# KiCad board protoboard-6x4-breakout.kicad_pcb (continued)
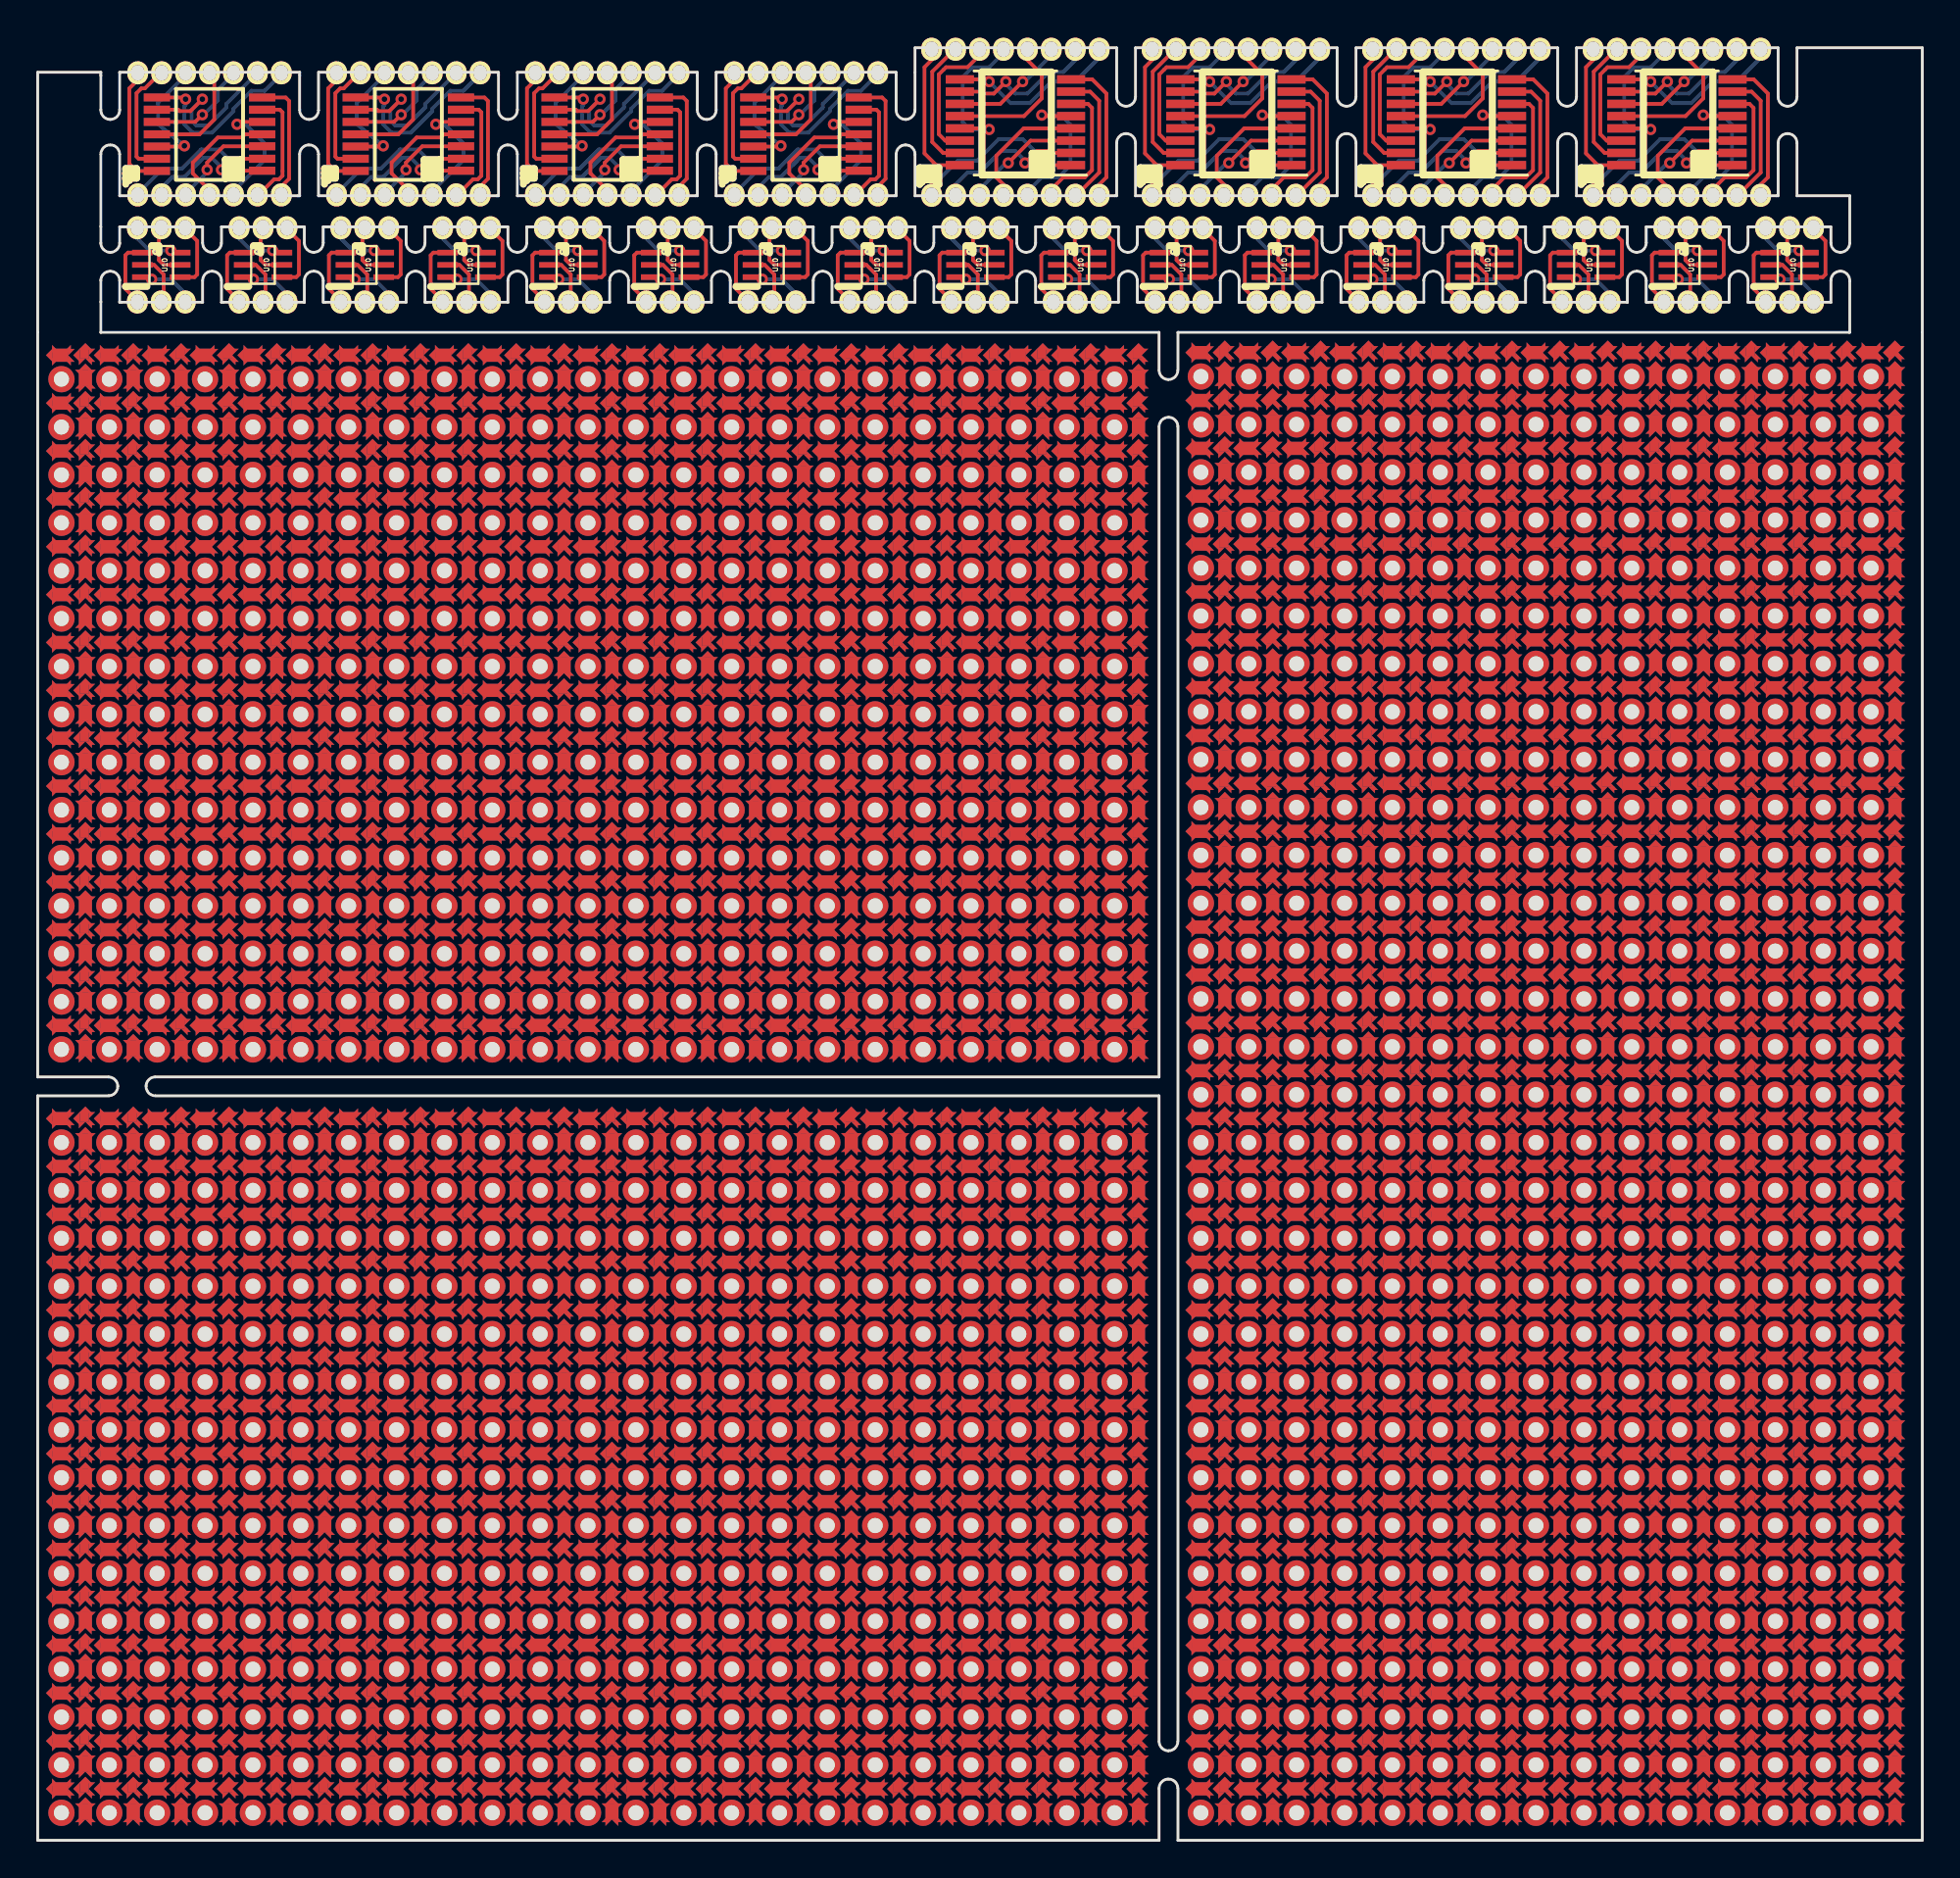
[diagram p0: board, top side]
## Placement (name value [footprint] x y rotation side) (continued)
REF**#2469  pad-between  [pad-between-spiked]  21.58 50.85 90 top
REF**#2470  center-pad  [center-pad-spikes]  22.85 50.85 0 top
REF**#2471  center-pad  [center-pad-spikes]  22.85 48.31 0 top
REF**#2472  pad-between  [pad-between-spiked]  22.85 47.04 0 top
REF**#2473  pad-between  [pad-between-spiked]  22.85 49.58 0 top
REF**#2474  pad-between  [pad-between-spiked]  21.58 48.31 90 top
REF**#2475  pad-between  [pad-between-spiked]  20.31 49.58 0 top
REF**#2476  pad-between  [pad-between-spiked]  20.31 47.04 0 top
REF**#2477  center-pad  [center-pad-spikes]  20.31 48.31 0 top
REF**#2478  center-pad  [center-pad-spikes]  17.77 48.31 0 top
REF**#2479  pad-between  [pad-between-spiked]  17.77 47.04 0 top
REF**#2480  pad-between  [pad-between-spiked]  17.77 49.58 0 top
REF**#2481  pad-between  [pad-between-spiked]  19.04 48.31 90 top
REF**#2482  pad-between  [pad-between-spiked]  16.5 48.31 90 top
REF**#2483  -  [tht-0.8]  21.58 49.58 0 top
REF**#2484  -  [tht-0.8]  19.04 49.58 0 top
REF**#2485  -  [tht-0.8]  16.5 49.58 0 top
REF**#2486  -  [tht-0.8]  16.5 47.04 0 top
REF**#2487  -  [tht-0.8]  19.04 47.04 0 top
REF**#2488  -  [tht-0.8]  21.58 47.04 0 top
REF**#2489  -  [tht-0.8]  52.06 47.04 0 top
REF**#2490  -  [tht-0.8]  49.52 47.04 0 top
REF**#2491  -  [tht-0.8]  46.98 47.04 0 top
REF**#2492  -  [tht-0.8]  46.98 49.58 0 top
REF**#2493  -  [tht-0.8]  49.52 49.58 0 top
REF**#2494  -  [tht-0.8]  52.06 49.58 0 top
REF**#2495  pad-between  [pad-between-spiked]  46.98 48.31 90 top
REF**#2496  pad-between  [pad-between-spiked]  49.52 48.31 90 top
REF**#2497  pad-between  [pad-between-spiked]  48.25 49.58 0 top
REF**#2498  pad-between  [pad-between-spiked]  48.25 47.04 0 top
REF**#2499  center-pad  [center-pad-spikes]  48.25 48.31 0 top
REF**#2500  center-pad  [center-pad-spikes]  50.79 48.31 0 top
REF**#2501  pad-between  [pad-between-spiked]  50.79 47.04 0 top
REF**#2502  pad-between  [pad-between-spiked]  50.79 49.58 0 top
REF**#2503  pad-between  [pad-between-spiked]  52.06 48.31 90 top
REF**#2504  pad-between  [pad-between-spiked]  53.33 49.58 0 top
REF**#2505  pad-between  [pad-between-spiked]  53.33 47.04 0 top
REF**#2506  center-pad  [center-pad-spikes]  53.33 48.31 0 top
REF**#2507  center-pad  [center-pad-spikes]  53.33 50.85 0 top
REF**#2508  pad-between  [pad-between-spiked]  52.06 50.85 90 top
REF**#2509  center-pad  [center-pad-spikes]  50.79 50.85 0 top
REF**#2510  center-pad  [center-pad-spikes]  48.25 50.85 0 top
REF**#2511  pad-between  [pad-between-spiked]  49.52 50.85 90 top
REF**#2512  pad-between  [pad-between-spiked]  46.98 50.85 90 top
REF**#2513  pad-between  [pad-between-spiked]  54.6 50.85 90 top
REF**#2514  pad-between  [pad-between-spiked]  57.14 50.85 90 top
REF**#2515  center-pad  [center-pad-spikes]  55.87 50.85 0 top
REF**#2516  center-pad  [center-pad-spikes]  58.41 50.85 0 top
REF**#2517  pad-between  [pad-between-spiked]  58.41 49.58 0 top
REF**#2518  pad-between  [pad-between-spiked]  58.41 47.04 0 top
REF**#2519  center-pad  [center-pad-spikes]  58.41 48.31 0 top
REF**#2520  center-pad  [center-pad-spikes]  55.87 48.31 0 top
REF**#2521  pad-between  [pad-between-spiked]  55.87 47.04 0 top
REF**#2522  pad-between  [pad-between-spiked]  55.87 49.58 0 top
REF**#2523  pad-between  [pad-between-spiked]  57.14 48.31 90 top
REF**#2524  pad-between  [pad-between-spiked]  54.6 48.31 90 top
REF**#2525  -  [tht-0.8]  57.14 49.58 0 top
REF**#2526  -  [tht-0.8]  54.6 49.58 0 top
REF**#2527  -  [tht-0.8]  54.6 47.04 0 top
REF**#2528  -  [tht-0.8]  57.14 47.04 0 top
REF**#2529  -  [tht-0.8]  44.44 47.04 0 top
REF**#2530  -  [tht-0.8]  41.9 47.04 0 top
REF**#2531  -  [tht-0.8]  39.36 47.04 0 top
REF**#2532  -  [tht-0.8]  39.36 49.58 0 top
REF**#2533  -  [tht-0.8]  41.9 49.58 0 top
REF**#2534  -  [tht-0.8]  44.44 49.58 0 top
REF**#2535  pad-between  [pad-between-spiked]  39.36 48.31 90 top
REF**#2536  pad-between  [pad-between-spiked]  41.9 48.31 90 top
REF**#2537  pad-between  [pad-between-spiked]  40.63 49.58 0 top
REF**#2538  pad-between  [pad-between-spiked]  40.63 47.04 0 top
REF**#2539  center-pad  [center-pad-spikes]  40.63 48.31 0 top
REF**#2540  center-pad  [center-pad-spikes]  43.17 48.31 0 top
REF**#2541  pad-between  [pad-between-spiked]  43.17 47.04 0 top
REF**#2542  pad-between  [pad-between-spiked]  43.17 49.58 0 top
REF**#2543  pad-between  [pad-between-spiked]  44.44 48.31 90 top
REF**#2544  pad-between  [pad-between-spiked]  45.71 49.58 0 top
REF**#2545  pad-between  [pad-between-spiked]  45.71 47.04 0 top
REF**#2546  center-pad  [center-pad-spikes]  45.71 48.31 0 top
REF**#2547  center-pad  [center-pad-spikes]  45.71 50.85 0 top
REF**#2548  pad-between  [pad-between-spiked]  44.44 50.85 90 top
REF**#2549  center-pad  [center-pad-spikes]  43.17 50.85 0 top
REF**#2550  center-pad  [center-pad-spikes]  40.63 50.85 0 top
REF**#2551  pad-between  [pad-between-spiked]  41.9 50.85 90 top
REF**#2552  pad-between  [pad-between-spiked]  39.36 50.85 90 top
REF**#2553  pad-between  [pad-between-spiked]  31.74 50.85 90 top
REF**#2554  pad-between  [pad-between-spiked]  34.28 50.85 90 top
REF**#2555  center-pad  [center-pad-spikes]  33.01 50.85 0 top
REF**#2556  center-pad  [center-pad-spikes]  35.55 50.85 0 top
REF**#2557  pad-between  [pad-between-spiked]  36.82 50.85 90 top
REF**#2558  center-pad  [center-pad-spikes]  38.09 50.85 0 top
REF**#2559  center-pad  [center-pad-spikes]  38.09 48.31 0 top
REF**#2560  pad-between  [pad-between-spiked]  38.09 47.04 0 top
REF**#2561  pad-between  [pad-between-spiked]  38.09 49.58 0 top
REF**#2562  pad-between  [pad-between-spiked]  36.82 48.31 90 top
REF**#2563  pad-between  [pad-between-spiked]  35.55 49.58 0 top
REF**#2564  pad-between  [pad-between-spiked]  35.55 47.04 0 top
REF**#2565  center-pad  [center-pad-spikes]  35.55 48.31 0 top
REF**#2566  center-pad  [center-pad-spikes]  33.01 48.31 0 top
REF**#2567  pad-between  [pad-between-spiked]  33.01 47.04 0 top
REF**#2568  pad-between  [pad-between-spiked]  33.01 49.58 0 top
REF**#2569  pad-between  [pad-between-spiked]  34.28 48.31 90 top
REF**#2570  pad-between  [pad-between-spiked]  31.74 48.31 90 top
REF**#2571  -  [tht-0.8]  36.82 49.58 0 top
REF**#2572  -  [tht-0.8]  34.28 49.58 0 top
REF**#2573  -  [tht-0.8]  31.74 49.58 0 top
REF**#2574  -  [tht-0.8]  31.74 47.04 0 top
REF**#2575  -  [tht-0.8]  34.28 47.04 0 top
REF**#2576  -  [tht-0.8]  36.82 47.04 0 top
REF**#2577  -  [tht-0.8]  36.82 41.96 0 top
REF**#2578  -  [tht-0.8]  34.28 41.96 0 top
REF**#2579  -  [tht-0.8]  31.74 41.96 0 top
REF**#2580  -  [tht-0.8]  31.74 44.5 0 top
REF**#2581  -  [tht-0.8]  34.28 44.5 0 top
REF**#2582  -  [tht-0.8]  36.82 44.5 0 top
REF**#2583  pad-between  [pad-between-spiked]  31.74 43.23 90 top
REF**#2584  pad-between  [pad-between-spiked]  34.28 43.23 90 top
REF**#2585  pad-between  [pad-between-spiked]  33.01 44.5 0 top
REF**#2586  pad-between  [pad-between-spiked]  33.01 41.96 0 top
REF**#2587  center-pad  [center-pad-spikes]  33.01 43.23 0 top
REF**#2588  center-pad  [center-pad-spikes]  35.55 43.23 0 top
REF**#2589  pad-between  [pad-between-spiked]  35.55 41.96 0 top
REF**#2590  pad-between  [pad-between-spiked]  35.55 44.5 0 top
REF**#2591  pad-between  [pad-between-spiked]  36.82 43.23 90 top
REF**#2592  pad-between  [pad-between-spiked]  38.09 44.5 0 top
REF**#2593  pad-between  [pad-between-spiked]  38.09 41.96 0 top
REF**#2594  center-pad  [center-pad-spikes]  38.09 43.23 0 top
REF**#2595  center-pad  [center-pad-spikes]  38.09 45.77 0 top
REF**#2596  pad-between  [pad-between-spiked]  36.82 45.77 90 top
REF**#2597  center-pad  [center-pad-spikes]  35.55 45.77 0 top
REF**#2598  center-pad  [center-pad-spikes]  33.01 45.77 0 top
REF**#2599  pad-between  [pad-between-spiked]  34.28 45.77 90 top
REF**#2600  pad-between  [pad-between-spiked]  31.74 45.77 90 top
REF**#2601  pad-between  [pad-between-spiked]  39.36 45.77 90 top
REF**#2602  pad-between  [pad-between-spiked]  41.9 45.77 90 top
REF**#2603  center-pad  [center-pad-spikes]  40.63 45.77 0 top
REF**#2604  center-pad  [center-pad-spikes]  43.17 45.77 0 top
REF**#2605  pad-between  [pad-between-spiked]  44.44 45.77 90 top
REF**#2606  center-pad  [center-pad-spikes]  45.71 45.77 0 top
REF**#2607  center-pad  [center-pad-spikes]  45.71 43.23 0 top
REF**#2608  pad-between  [pad-between-spiked]  45.71 41.96 0 top
REF**#2609  pad-between  [pad-between-spiked]  45.71 44.5 0 top
REF**#2610  pad-between  [pad-between-spiked]  44.44 43.23 90 top
REF**#2611  pad-between  [pad-between-spiked]  43.17 44.5 0 top
REF**#2612  pad-between  [pad-between-spiked]  43.17 41.96 0 top
REF**#2613  center-pad  [center-pad-spikes]  43.17 43.23 0 top
REF**#2614  center-pad  [center-pad-spikes]  40.63 43.23 0 top
REF**#2615  pad-between  [pad-between-spiked]  40.63 41.96 0 top
REF**#2616  pad-between  [pad-between-spiked]  40.63 44.5 0 top
REF**#2617  pad-between  [pad-between-spiked]  41.9 43.23 90 top
REF**#2618  pad-between  [pad-between-spiked]  39.36 43.23 90 top
REF**#2619  -  [tht-0.8]  44.44 44.5 0 top
REF**#2620  -  [tht-0.8]  41.9 44.5 0 top
REF**#2621  -  [tht-0.8]  39.36 44.5 0 top
REF**#2622  -  [tht-0.8]  39.36 41.96 0 top
REF**#2623  -  [tht-0.8]  41.9 41.96 0 top
REF**#2624  -  [tht-0.8]  44.44 41.96 0 top
REF**#2625  -  [tht-0.8]  57.14 41.96 0 top
REF**#2626  -  [tht-0.8]  54.6 41.96 0 top
REF**#2627  -  [tht-0.8]  54.6 44.5 0 top
REF**#2628  -  [tht-0.8]  57.14 44.5 0 top
REF**#2629  pad-between  [pad-between-spiked]  54.6 43.23 90 top
REF**#2630  pad-between  [pad-between-spiked]  57.14 43.23 90 top
REF**#2631  pad-between  [pad-between-spiked]  55.87 44.5 0 top
REF**#2632  pad-between  [pad-between-spiked]  55.87 41.96 0 top
REF**#2633  center-pad  [center-pad-spikes]  55.87 43.23 0 top
REF**#2634  center-pad  [center-pad-spikes]  58.41 43.23 0 top
REF**#2635  pad-between  [pad-between-spiked]  58.41 41.96 0 top
REF**#2636  pad-between  [pad-between-spiked]  58.41 44.5 0 top
REF**#2637  center-pad  [center-pad-spikes]  58.41 45.77 0 top
REF**#2638  center-pad  [center-pad-spikes]  55.87 45.77 0 top
REF**#2639  pad-between  [pad-between-spiked]  57.14 45.77 90 top
REF**#2640  pad-between  [pad-between-spiked]  54.6 45.77 90 top
REF**#2641  pad-between  [pad-between-spiked]  46.98 45.77 90 top
REF**#2642  pad-between  [pad-between-spiked]  49.52 45.77 90 top
REF**#2643  center-pad  [center-pad-spikes]  48.25 45.77 0 top
REF**#2644  center-pad  [center-pad-spikes]  50.79 45.77 0 top
REF**#2645  pad-between  [pad-between-spiked]  52.06 45.77 90 top
REF**#2646  center-pad  [center-pad-spikes]  53.33 45.77 0 top
REF**#2647  center-pad  [center-pad-spikes]  53.33 43.23 0 top
REF**#2648  pad-between  [pad-between-spiked]  53.33 41.96 0 top
REF**#2649  pad-between  [pad-between-spiked]  53.33 44.5 0 top
REF**#2650  pad-between  [pad-between-spiked]  52.06 43.23 90 top
REF**#2651  pad-between  [pad-between-spiked]  50.79 44.5 0 top
REF**#2652  pad-between  [pad-between-spiked]  50.79 41.96 0 top
REF**#2653  center-pad  [center-pad-spikes]  50.79 43.23 0 top
REF**#2654  center-pad  [center-pad-spikes]  48.25 43.23 0 top
REF**#2655  pad-between  [pad-between-spiked]  48.25 41.96 0 top
REF**#2656  pad-between  [pad-between-spiked]  48.25 44.5 0 top
REF**#2657  pad-between  [pad-between-spiked]  49.52 43.23 90 top
REF**#2658  pad-between  [pad-between-spiked]  46.98 43.23 90 top
REF**#2659  -  [tht-0.8]  52.06 44.5 0 top
REF**#2660  -  [tht-0.8]  49.52 44.5 0 top
REF**#2661  -  [tht-0.8]  46.98 44.5 0 top
REF**#2662  -  [tht-0.8]  46.98 41.96 0 top
REF**#2663  -  [tht-0.8]  49.52 41.96 0 top
REF**#2664  -  [tht-0.8]  52.06 41.96 0 top
REF**#2665  -  [tht-0.8]  21.58 41.96 0 top
REF**#2666  -  [tht-0.8]  19.04 41.96 0 top
REF**#2667  -  [tht-0.8]  16.5 41.96 0 top
REF**#2668  -  [tht-0.8]  16.5 44.5 0 top
REF**#2669  -  [tht-0.8]  19.04 44.5 0 top
REF**#2670  -  [tht-0.8]  21.58 44.5 0 top
REF**#2671  pad-between  [pad-between-spiked]  16.5 43.23 90 top
REF**#2672  pad-between  [pad-between-spiked]  19.04 43.23 90 top
REF**#2673  pad-between  [pad-between-spiked]  17.77 44.5 0 top
REF**#2674  pad-between  [pad-between-spiked]  17.77 41.96 0 top
REF**#2675  center-pad  [center-pad-spikes]  17.77 43.23 0 top
REF**#2676  center-pad  [center-pad-spikes]  20.31 43.23 0 top
REF**#2677  pad-between  [pad-between-spiked]  20.31 41.96 0 top
REF**#2678  pad-between  [pad-between-spiked]  20.31 44.5 0 top
REF**#2679  pad-between  [pad-between-spiked]  21.58 43.23 90 top
REF**#2680  pad-between  [pad-between-spiked]  22.85 44.5 0 top
REF**#2681  pad-between  [pad-between-spiked]  22.85 41.96 0 top
REF**#2682  center-pad  [center-pad-spikes]  22.85 43.23 0 top
REF**#2683  center-pad  [center-pad-spikes]  22.85 45.77 0 top
REF**#2684  pad-between  [pad-between-spiked]  21.58 45.77 90 top
REF**#2685  center-pad  [center-pad-spikes]  20.31 45.77 0 top
REF**#2686  center-pad  [center-pad-spikes]  17.77 45.77 0 top
REF**#2687  pad-between  [pad-between-spiked]  19.04 45.77 90 top
REF**#2688  pad-between  [pad-between-spiked]  16.5 45.77 90 top
REF**#2689  pad-between  [pad-between-spiked]  24.12 45.77 90 top
REF**#2690  pad-between  [pad-between-spiked]  26.66 45.77 90 top
REF**#2691  center-pad  [center-pad-spikes]  25.39 45.77 0 top
REF**#2692  center-pad  [center-pad-spikes]  27.93 45.77 0 top
REF**#2693  pad-between  [pad-between-spiked]  29.2 45.77 90 top
REF**#2694  center-pad  [center-pad-spikes]  30.47 45.77 0 top
REF**#2695  center-pad  [center-pad-spikes]  30.47 43.23 0 top
REF**#2696  pad-between  [pad-between-spiked]  30.47 41.96 0 top
REF**#2697  pad-between  [pad-between-spiked]  30.47 44.5 0 top
REF**#2698  pad-between  [pad-between-spiked]  29.2 43.23 90 top
REF**#2699  pad-between  [pad-between-spiked]  27.93 44.5 0 top
REF**#2700  pad-between  [pad-between-spiked]  27.93 41.96 0 top
REF**#2701  center-pad  [center-pad-spikes]  27.93 43.23 0 top
REF**#2702  center-pad  [center-pad-spikes]  25.39 43.23 0 top
REF**#2703  pad-between  [pad-between-spiked]  25.39 41.96 0 top
REF**#2704  pad-between  [pad-between-spiked]  25.39 44.5 0 top
REF**#2705  pad-between  [pad-between-spiked]  26.66 43.23 90 top
REF**#2706  pad-between  [pad-between-spiked]  24.12 43.23 90 top
REF**#2707  -  [tht-0.8]  29.2 44.5 0 top
REF**#2708  -  [tht-0.8]  26.66 44.5 0 top
REF**#2709  -  [tht-0.8]  24.12 44.5 0 top
REF**#2710  -  [tht-0.8]  24.12 41.96 0 top
REF**#2711  -  [tht-0.8]  26.66 41.96 0 top
REF**#2712  -  [tht-0.8]  29.2 41.96 0 top
REF**#2713  -  [tht-0.8]  13.96 41.96 0 top
REF**#2714  -  [tht-0.8]  11.42 41.96 0 top
REF**#2715  -  [tht-0.8]  8.88 41.96 0 top
REF**#2716  -  [tht-0.8]  8.88 44.5 0 top
REF**#2717  -  [tht-0.8]  11.42 44.5 0 top
REF**#2718  -  [tht-0.8]  13.96 44.5 0 top
REF**#2719  pad-between  [pad-between-spiked]  8.88 43.23 90 top
REF**#2720  pad-between  [pad-between-spiked]  11.42 43.23 90 top
REF**#2721  pad-between  [pad-between-spiked]  10.15 44.5 0 top
REF**#2722  pad-between  [pad-between-spiked]  10.15 41.96 0 top
REF**#2723  center-pad  [center-pad-spikes]  10.15 43.23 0 top
REF**#2724  center-pad  [center-pad-spikes]  12.69 43.23 0 top
REF**#2725  pad-between  [pad-between-spiked]  12.69 41.96 0 top
REF**#2726  pad-between  [pad-between-spiked]  12.69 44.5 0 top
REF**#2727  pad-between  [pad-between-spiked]  13.96 43.23 90 top
REF**#2728  pad-between  [pad-between-spiked]  15.23 44.5 0 top
REF**#2729  pad-between  [pad-between-spiked]  15.23 41.96 0 top
REF**#2730  center-pad  [center-pad-spikes]  15.23 43.23 0 top
REF**#2731  center-pad  [center-pad-spikes]  15.23 45.77 0 top
REF**#2732  pad-between  [pad-between-spiked]  13.96 45.77 90 top
REF**#2733  center-pad  [center-pad-spikes]  12.69 45.77 0 top
REF**#2734  center-pad  [center-pad-spikes]  10.15 45.77 0 top
REF**#2735  pad-between  [pad-between-spiked]  11.42 45.77 90 top
REF**#2736  pad-between  [pad-between-spiked]  8.88 45.77 90 top
REF**#2737  pad-between  [pad-between-spiked]  1.26 45.77 90 top
REF**#2738  pad-between  [pad-between-spiked]  3.8 45.77 90 top
REF**#2739  center-pad  [center-pad-spikes]  2.53 45.77 0 top
REF**#2740  center-pad  [center-pad-spikes]  5.07 45.77 0 top
REF**#2741  pad-between  [pad-between-spiked]  6.34 45.77 90 top
REF**#2742  center-pad  [center-pad-spikes]  7.61 45.77 0 top
REF**#2743  center-pad  [center-pad-spikes]  7.61 43.23 0 top
REF**#2744  pad-between  [pad-between-spiked]  7.61 41.96 0 top
REF**#2745  pad-between  [pad-between-spiked]  7.61 44.5 0 top
REF**#2746  pad-between  [pad-between-spiked]  6.34 43.23 90 top
REF**#2747  pad-between  [pad-between-spiked]  5.07 44.5 0 top
REF**#2748  pad-between  [pad-between-spiked]  5.07 41.96 0 top
REF**#2749  center-pad  [center-pad-spikes]  5.07 43.23 0 top
REF**#2750  center-pad  [center-pad-spikes]  2.53 43.23 0 top
REF**#2751  pad-between  [pad-between-spiked]  2.53 41.96 0 top
REF**#2752  pad-between  [pad-between-spiked]  2.53 44.5 0 top
REF**#2753  pad-between  [pad-between-spiked]  3.8 43.23 90 top
REF**#2754  pad-between  [pad-between-spiked]  1.26 43.23 90 top
REF**#2755  -  [tht-0.8]  6.34 44.5 0 top
REF**#2756  -  [tht-0.8]  3.8 44.5 0 top
REF**#2757  -  [tht-0.8]  1.26 44.5 0 top
REF**#2758  -  [tht-0.8]  1.26 41.96 0 top
REF**#2759  -  [tht-0.8]  3.8 41.96 0 top
REF**#2760  -  [tht-0.8]  6.34 41.96 0 top
REF**#2761  pad-between  [pad-between-spiked]  92.2 5.27 90 top
REF**#2762  pad-between  [pad-between-spiked]  94.74 5.27 90 top
REF**#2763  center-pad  [center-pad-spikes]  93.47 5.27 0 top
REF**#2764  center-pad  [center-pad-spikes]  96.01 5.27 0 top
REF**#2765  pad-between  [pad-between-spiked]  97.28 5.27 90 top
REF**#2766  center-pad  [center-pad-spikes]  98.55 5.27 0 top
REF**#2767  center-pad  [center-pad-spikes]  98.55 2.73 0 top
REF**#2768  pad-between  [pad-between-spiked]  98.55 1.46 0 top
REF**#2769  pad-between  [pad-between-spiked]  98.55 4 0 top
REF**#2770  pad-between  [pad-between-spiked]  97.28 2.73 90 top
REF**#2771  pad-between  [pad-between-spiked]  96.01 4 0 top
REF**#2772  pad-between  [pad-between-spiked]  96.01 1.46 0 top
REF**#2773  center-pad  [center-pad-spikes]  96.01 2.73 0 top
REF**#2774  center-pad  [center-pad-spikes]  93.47 2.73 0 top
REF**#2775  pad-between  [pad-between-spiked]  93.47 1.46 0 top
REF**#2776  pad-between  [pad-between-spiked]  93.47 4 0 top
REF**#2777  pad-between  [pad-between-spiked]  94.74 2.73 90 top
REF**#2778  pad-between  [pad-between-spiked]  92.2 2.73 90 top
REF**#2779  -  [tht-0.8]  97.28 4 0 top
REF**#2780  -  [tht-0.8]  94.74 4 0 top
REF**#2781  -  [tht-0.8]  92.2 4 0 top
REF**#2782  -  [tht-0.8]  92.2 1.46 0 top
REF**#2783  -  [tht-0.8]  94.74 1.46 0 top
REF**#2784  -  [tht-0.8]  97.28 1.46 0 top
REF**#2785  -  [tht-0.8]  66.8 1.46 0 top
REF**#2786  -  [tht-0.8]  64.26 1.46 0 top
REF**#2787  -  [tht-0.8]  61.72 1.46 0 top
REF**#2788  -  [tht-0.8]  61.72 4 0 top
REF**#2789  -  [tht-0.8]  64.26 4 0 top
REF**#2790  -  [tht-0.8]  66.8 4 0 top
REF**#2791  pad-between  [pad-between-spiked]  61.72 2.73 90 top
REF**#2792  pad-between  [pad-between-spiked]  64.26 2.73 90 top
REF**#2793  pad-between  [pad-between-spiked]  62.99 4 0 top
REF**#2794  pad-between  [pad-between-spiked]  62.99 1.46 0 top
REF**#2795  center-pad  [center-pad-spikes]  62.99 2.73 0 top
REF**#2796  center-pad  [center-pad-spikes]  65.53 2.73 0 top
REF**#2797  pad-between  [pad-between-spiked]  65.53 1.46 0 top
REF**#2798  pad-between  [pad-between-spiked]  65.53 4 0 top
REF**#2799  pad-between  [pad-between-spiked]  66.8 2.73 90 top
REF**#2800  pad-between  [pad-between-spiked]  68.07 4 0 top
REF**#2801  pad-between  [pad-between-spiked]  68.07 1.46 0 top
REF**#2802  center-pad  [center-pad-spikes]  68.07 2.73 0 top
REF**#2803  center-pad  [center-pad-spikes]  68.07 5.27 0 top
REF**#2804  pad-between  [pad-between-spiked]  66.8 5.27 90 top
REF**#2805  center-pad  [center-pad-spikes]  65.53 5.27 0 top
REF**#2806  center-pad  [center-pad-spikes]  62.99 5.27 0 top
REF**#2807  pad-between  [pad-between-spiked]  64.26 5.27 90 top
REF**#2808  pad-between  [pad-between-spiked]  61.72 5.27 90 top
REF**#2809  pad-between  [pad-between-spiked]  69.34 5.27 90 top
REF**#2810  pad-between  [pad-between-spiked]  71.88 5.27 90 top
REF**#2811  center-pad  [center-pad-spikes]  70.61 5.27 0 top
REF**#2812  center-pad  [center-pad-spikes]  73.15 5.27 0 top
REF**#2813  pad-between  [pad-between-spiked]  74.42 5.27 90 top
REF**#2814  center-pad  [center-pad-spikes]  75.69 5.27 0 top
REF**#2815  center-pad  [center-pad-spikes]  75.69 2.73 0 top
REF**#2816  pad-between  [pad-between-spiked]  75.69 1.46 0 top
REF**#2817  pad-between  [pad-between-spiked]  75.69 4 0 top
REF**#2818  pad-between  [pad-between-spiked]  74.42 2.73 90 top
REF**#2819  pad-between  [pad-between-spiked]  73.15 4 0 top
REF**#2820  pad-between  [pad-between-spiked]  73.15 1.46 0 top
REF**#2821  center-pad  [center-pad-spikes]  73.15 2.73 0 top
REF**#2822  center-pad  [center-pad-spikes]  70.61 2.73 0 top
REF**#2823  pad-between  [pad-between-spiked]  70.61 1.46 0 top
REF**#2824  pad-between  [pad-between-spiked]  70.61 4 0 top
REF**#2825  pad-between  [pad-between-spiked]  71.88 2.73 90 top
REF**#2826  pad-between  [pad-between-spiked]  69.34 2.73 90 top
REF**#2827  -  [tht-0.8]  74.42 4 0 top
REF**#2828  -  [tht-0.8]  71.88 4 0 top
REF**#2829  -  [tht-0.8]  69.34 4 0 top
REF**#2830  -  [tht-0.8]  69.34 1.46 0 top
REF**#2831  -  [tht-0.8]  71.88 1.46 0 top
REF**#2832  -  [tht-0.8]  74.42 1.46 0 top
REF**#2833  -  [tht-0.8]  82.04 1.46 0 top
REF**#2834  -  [tht-0.8]  79.5 1.46 0 top
REF**#2835  -  [tht-0.8]  76.96 1.46 0 top
REF**#2836  -  [tht-0.8]  76.96 4 0 top
REF**#2837  -  [tht-0.8]  79.5 4 0 top
REF**#2838  -  [tht-0.8]  82.04 4 0 top
REF**#2839  pad-between  [pad-between-spiked]  76.96 2.73 90 top
REF**#2840  pad-between  [pad-between-spiked]  79.5 2.73 90 top
REF**#2841  pad-between  [pad-between-spiked]  78.23 4 0 top
REF**#2842  pad-between  [pad-between-spiked]  78.23 1.46 0 top
REF**#2843  center-pad  [center-pad-spikes]  78.23 2.73 0 top
REF**#2844  center-pad  [center-pad-spikes]  80.77 2.73 0 top
REF**#2845  pad-between  [pad-between-spiked]  80.77 1.46 0 top
REF**#2846  pad-between  [pad-between-spiked]  80.77 4 0 top
REF**#2847  pad-between  [pad-between-spiked]  82.04 2.73 90 top
REF**#2848  pad-between  [pad-between-spiked]  83.31 4 0 top
REF**#2849  pad-between  [pad-between-spiked]  83.31 1.46 0 top
REF**#2850  center-pad  [center-pad-spikes]  83.31 2.73 0 top
REF**#2851  center-pad  [center-pad-spikes]  83.31 5.27 0 top
REF**#2852  pad-between  [pad-between-spiked]  82.04 5.27 90 top
REF**#2853  center-pad  [center-pad-spikes]  80.77 5.27 0 top
REF**#2854  center-pad  [center-pad-spikes]  78.23 5.27 0 top
REF**#2855  pad-between  [pad-between-spiked]  79.5 5.27 90 top
REF**#2856  pad-between  [pad-between-spiked]  76.96 5.27 90 top
REF**#2857  pad-between  [pad-between-spiked]  84.58 5.27 90 top
REF**#2858  pad-between  [pad-between-spiked]  87.12 5.27 90 top
REF**#2859  center-pad  [center-pad-spikes]  85.85 5.27 0 top
REF**#2860  center-pad  [center-pad-spikes]  88.39 5.27 0 top
REF**#2861  pad-between  [pad-between-spiked]  89.66 5.27 90 top
REF**#2862  center-pad  [center-pad-spikes]  90.93 5.27 0 top
REF**#2863  center-pad  [center-pad-spikes]  90.93 2.73 0 top
REF**#2864  pad-between  [pad-between-spiked]  90.93 1.46 0 top
REF**#2865  pad-between  [pad-between-spiked]  90.93 4 0 top
REF**#2866  pad-between  [pad-between-spiked]  89.66 2.73 90 top
REF**#2867  pad-between  [pad-between-spiked]  88.39 4 0 top
REF**#2868  pad-between  [pad-between-spiked]  88.39 1.46 0 top
REF**#2869  center-pad  [center-pad-spikes]  88.39 2.73 0 top
REF**#2870  center-pad  [center-pad-spikes]  85.85 2.73 0 top
REF**#2871  pad-between  [pad-between-spiked]  85.85 1.46 0 top
REF**#2872  pad-between  [pad-between-spiked]  85.85 4 0 top
REF**#2873  pad-between  [pad-between-spiked]  87.12 2.73 90 top
REF**#2874  pad-between  [pad-between-spiked]  84.58 2.73 90 top
REF**#2875  -  [tht-0.8]  89.66 4 0 top
REF**#2876  -  [tht-0.8]  87.12 4 0 top
REF**#2877  -  [tht-0.8]  84.58 4 0 top
REF**#2878  -  [tht-0.8]  84.58 1.46 0 top
REF**#2879  -  [tht-0.8]  87.12 1.46 0 top
REF**#2880  -  [tht-0.8]  89.66 1.46 0 top
REF**#2881  -  [tht-0.8]  89.66 6.54 0 top
REF**#2882  -  [tht-0.8]  87.12 6.54 0 top
REF**#2883  -  [tht-0.8]  84.58 6.54 0 top
REF**#2884  -  [tht-0.8]  84.58 9.08 0 top
REF**#2885  -  [tht-0.8]  87.12 9.08 0 top
REF**#2886  -  [tht-0.8]  89.66 9.08 0 top
REF**#2887  pad-between  [pad-between-spiked]  84.58 7.81 90 top
REF**#2888  pad-between  [pad-between-spiked]  87.12 7.81 90 top
REF**#2889  pad-between  [pad-between-spiked]  85.85 9.08 0 top
REF**#2890  pad-between  [pad-between-spiked]  85.85 6.54 0 top
REF**#2891  center-pad  [center-pad-spikes]  85.85 7.81 0 top
REF**#2892  center-pad  [center-pad-spikes]  88.39 7.81 0 top
REF**#2893  pad-between  [pad-between-spiked]  88.39 6.54 0 top